# Altium PCB MCU009B_PCB.PcbDoc (part 2 of 4) (continued)
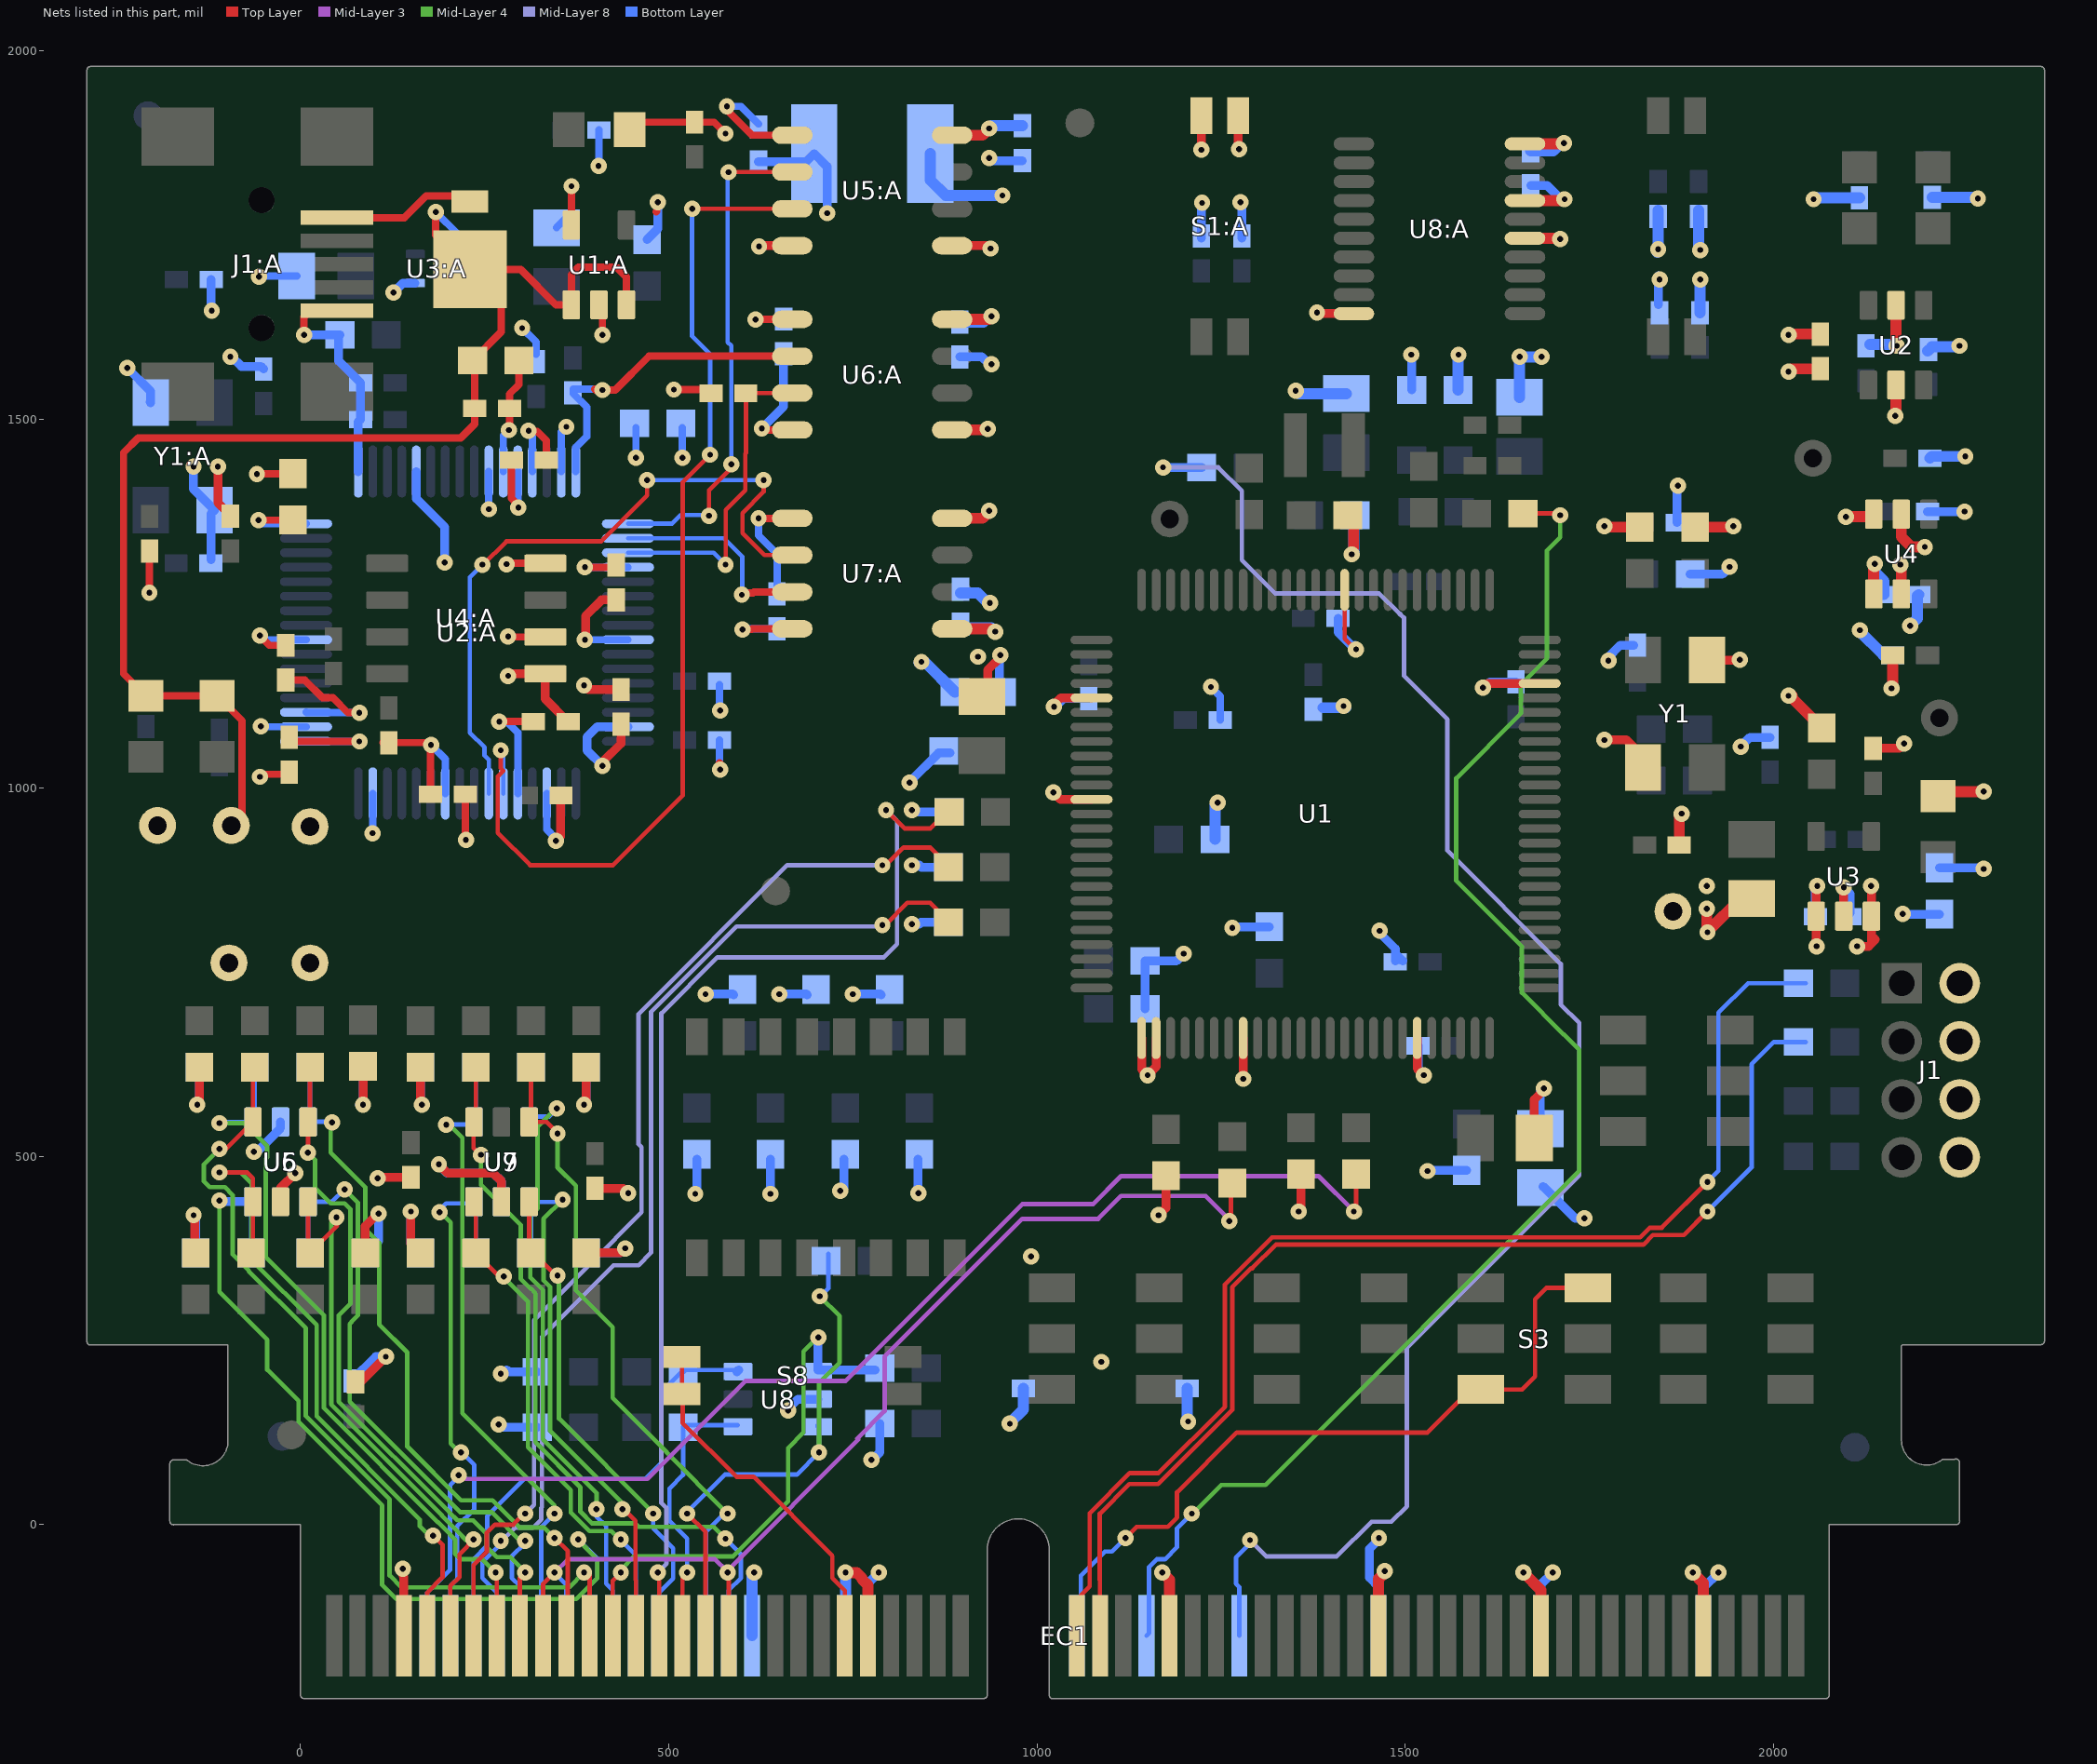
[diagram p10: the nets of this part, all layers, seen from the top]
## Part data (continued)
R1 R2: library part CMP-0026938-5, "RES, 4.7 k, 5%, 0.063 W, AEC-Q200 Grade 0, 0402", Manufacturer=Vishay-Dale, Power_W=63mW, Supplier Part Number 1=541-4.7KJCT-ND, TempCo="200 ppm/C", Tolerance_%=5%, Value2=0.063W, Value_Code=4k70, ValueDisplayed=4.7k, AEC Category=Q200, AEC Grade=0, AEC Qualified=Y, ComponentLink1Description="Datasheet link", ComponentLink1URL=http://www.vishay.com/docs/20035/dcrcwe3.pdf, CompType=Resistor, EIA_Code=E24, MountType=SMT, PackageReference=0402, PartNumber=CRCW04024K70JNED, Res_ohm=4.7k, RoHS=E, SizeArea_mm2=0.5, SizeX_mm=1, SizeY_mm=0.5, SizeZ_mm=0.6, Supplier 1=Digi-Key, Supplier 2=Newark, Supplier 3=Mouser, Supplier Part Number 2=59M6733, Supplier Part Number 3=71-CRCW0402J-4.7K-E3, Technology="Thick Film", Value1=5%, VDC_V=50V
R1:A R10 R11 R23: library part CMP-0026962-3, "RES, 680, 5%, 0.063 W, AEC-Q200 Grade 0, 0402", Manufacturer=Vishay-Dale, Power_W=63mW, Supplier Part Number 1=541-680JCT-ND, TempCo="200 ppm/C", Tolerance_%=5%, Value2=0.063W, Value_Code=680R, ValueDisplayed=680, AEC Category=Q200, AEC Grade=0, AEC Qualified=Y, ComponentLink1Description="Datasheet link", ComponentLink1URL=http://www.vishay.com/docs/20035/dcrcwe3.pdf, CompType=Resistor, EIA_Code=E24, MountType=SMT, PackageReference=0402, PartNumber=CRCW0402680RJNED, Res_ohm=680, RoHS=E, SizeArea_mm2=0.5, SizeX_mm=1, SizeY_mm=0.5, SizeZ_mm=0.6, Supplier 1=Digi-Key, Supplier 2=Newark, Supplier 3=Mouser, Supplier Part Number 2=59M6744, Supplier Part Number 3=71-CRCW0402J-680-E3, Technology="Thick Film", Value1=5%, VDC_V=50V
R2:A R4:A R8 R9 R9:A R15:A R16:A: library part CMP-0026825-5, "RES, 10 k, 5%, 0.063 W, AEC-Q200 Grade 0, 0402", Manufacturer=Vishay-Dale, Power_W=63mW, Supplier Part Number 1=541-10KJCT-ND, TempCo="200 ppm/C", Tolerance_%=5%, Value2=0.063W, Value_Code=10k0, ValueDisplayed=10k, AEC Category=Q200, AEC Grade=0, AEC Qualified=Y, ComponentLink1Description="Datasheet link", ComponentLink1URL=http://www.vishay.com/docs/20035/dcrcwe3.pdf, CompType=Resistor, EIA_Code=E24, MountType=SMT, PackageReference=0402, PartNumber=CRCW040210K0JNED, Res_ohm=10k, RoHS=E, SizeArea_mm2=0.5, SizeX_mm=1, SizeY_mm=0.5, SizeZ_mm=0.6, Supplier 1=Digi-Key, Supplier 2=Newark, Supplier 3=Mouser, Supplier Part Number 2=59M6696, Supplier Part Number 3=71-CRCW0402J-10K-E3, Technology="Thick Film", Value1=5%, VDC_V=50V
R3 R4 R5 R6 R7 R16 R17 R18 R19 R21 R22 R28 R32 R35 R36 R37 R38 R39 R40 R41 R42 R43 R44 R45 R46 R47 R48 R49 R50 R51 R52 R53 R54 R55 R56 R57 R58 R59 R60 R61 R62 R63 R64: library part CMP-0025697-4, "RES, 0, 5%, 0.1 W, AEC-Q200 Grade 0, 0603", Manufacturer=Vishay-Dale, Power_W=100mW, Supplier Part Number 1=541-0.0GCT-ND, TempCo="200 ppm/C", Tolerance_%=5%, Value2=0.1W, Value_Code=0000, ValueDisplayed=0, AEC Category=Q200, AEC Grade=0, AEC Qualified=Y, ComponentLink1Description="Datasheet link", ComponentLink1URL=http://www.vishay.com/docs/20035/dcrcwe3.pdf, CompType=Resistor, EIA_Code=E24, MountType=SMT, PackageReference=0603, PartNumber=CRCW06030000Z0EA, Res_ohm=0, RoHS=E, SizeArea_mm2=1.28, SizeX_mm=1.6, SizeY_mm=0.8, SizeZ_mm=1, Supplier 1=Digi-Key, Supplier 2=Newark, Supplier 3=Mouser, Supplier Part Number 2=52K8014, Supplier Part Number 3=71-CRCW0603-0-E3, Technology="Thick Film", Value1=5%, VDC_V=75V
R3:A R6:A R12:A R13:A R29: library part CMP-0026822-3, "RES, 0, 5%, 0.063 W, AEC-Q200 Grade 0, 0402", Manufacturer=Vishay-Dale, Power_W=63mW, Supplier Part Number 1=541-0.0JCT-ND, TempCo="200 ppm/C", Tolerance_%=5%, Value2=0.063W, Value_Code=0000, ValueDisplayed=0, AEC Category=Q200, AEC Grade=0, AEC Qualified=Y, ComponentLink1Description="Datasheet link", ComponentLink1URL=http://www.vishay.com/docs/20035/dcrcwe3.pdf, CompType=Resistor, EIA_Code=E24, MountType=SMT, PackageReference=0402, PartNumber=CRCW04020000Z0ED, Res_ohm=0, RoHS=E, SizeArea_mm2=0.5, SizeX_mm=1, SizeY_mm=0.5, SizeZ_mm=0.6, Supplier 1=Digi-Key, Supplier 2=Newark, Supplier 3=Mouser, Supplier Part Number 2=52K6543, Supplier Part Number 3=71-CRCW0402-0-E3, Technology="Thick Film", Value1=5%, VDC_V=50V
R5:A R7:A R8:A R11:A: library part CMP-0026852-3, "RES, 1.0 k, 5%, 0.063 W, AEC-Q200 Grade 0, 0402", Manufacturer=Vishay-Dale, Power_W=63mW, Supplier Part Number 1=541-1.0KJCT-ND, TempCo="200 ppm/C", Tolerance_%=5%, Value2=0.063W, Value_Code=1k00, ValueDisplayed=1.0k, AEC Category=Q200, AEC Grade=0, AEC Qualified=Y, ComponentLink1Description="Datasheet link", ComponentLink1URL=http://www.vishay.com/docs/20035/dcrcwe3.pdf, CompType=Resistor, EIA_Code=E24, MountType=SMT, PackageReference=0402, PartNumber=CRCW04021K00JNED, Res_ohm=1k, RoHS=E, SizeArea_mm2=0.5, SizeX_mm=1, SizeY_mm=0.5, SizeZ_mm=0.6, Supplier 1=Digi-Key, Supplier 2=Newark, Supplier 3=Mouser, Supplier Part Number 2=59M6691, Supplier Part Number 3=71-CRCW0402J-1.0K-E3, Technology="Thick Film", Value1=5%, VDC_V=50V
R10:A R27 R30 R31 R33 R34: library part CMP-0026890-5, "RES, 2.2 k, 5%, 0.063 W, AEC-Q200 Grade 0, 0402", Manufacturer=Vishay-Dale, Power_W=63mW, Supplier Part Number 1=541-2.2KJCT-ND, TempCo="200 ppm/C", Tolerance_%=5%, Value2=0.063W, Value_Code=2k20, ValueDisplayed=2.2k, AEC Category=Q200, AEC Grade=0, AEC Qualified=Y, ComponentLink1Description="Datasheet link", ComponentLink1URL=http://www.vishay.com/docs/20035/dcrcwe3.pdf, CompType=Resistor, EIA_Code=E24, MountType=SMT, PackageReference=0402, PartNumber=CRCW04022K20JNED, Res_ohm=2.2k, RoHS=E, SizeArea_mm2=0.5, SizeX_mm=1, SizeY_mm=0.5, SizeZ_mm=0.6, Supplier 1=Digi-Key, Supplier 2=Newark, Supplier 3=Mouser, Supplier Part Number 2=59M6710, Supplier Part Number 3=71-CRCW0402J-2.2K-E3, Technology="Thick Film", Value1=5%, VDC_V=50V
R12 R13: library part CMP-0026826-2, "RES, 10 M, 5%, 0.063 W, AEC-Q200 Grade 0, 0402", Manufacturer=Vishay-Dale, Power_W=63mW, Supplier Part Number 1=541-10MJCT-ND, TempCo="200 ppm/C", Tolerance_%=5%, Value2=0.063W, Value_Code=10M0, ValueDisplayed=10M, AEC Category=Q200, AEC Grade=0, AEC Qualified=Y, ComponentLink1Description="Datasheet link", ComponentLink1URL=http://www.vishay.com/docs/20035/dcrcwe3.pdf, CompType=Resistor, EIA_Code=E24, MountType=SMT, PackageReference=0402, PartNumber=CRCW040210M0JNED, Res_ohm=10M, RoHS=E, SizeArea_mm2=0.5, SizeX_mm=1, SizeY_mm=0.5, SizeZ_mm=0.6, Supplier 1=Digi-Key, Supplier 2=Newark, Supplier 3=Mouser, Supplier Part Number 2=59M6697, Supplier Part Number 3=71-CRCW0402J-10M-E3, Technology="Thick Film", Value1=5%, VDC_V=50V
R14 R15 R20: library part CMP-0020442-3, "RES, 0, 5%, 0.125 W, AEC-Q200 Grade 0, 0805", Manufacturer=Vishay-Dale, Power_W=125mW, Supplier Part Number 1=541-0.0ACT-ND, TempCo="200 ppm/C", Tolerance_%=5%, Value2=0.125W, Value_Code=0000, ValueDisplayed=0, AEC Category=Q200, AEC Grade=0, AEC Qualified=Y, ComponentLink1Description="Datasheet link", ComponentLink1URL=http://www.vishay.com/docs/20035/dcrcwe3.pdf, CompType=Resistor, EIA_Code=E24, MountType=SMT, PackageReference=0805, PartNumber=CRCW08050000Z0EA, Res_ohm=0, RoHS=E, SizeArea_mm2=2.5, SizeX_mm=2, SizeY_mm=1.25, SizeZ_mm=1.45, Supplier 1=Digi-Key, Supplier 2=Newark, Supplier 3=Mouser, Supplier Part Number 2=52K9721, Supplier Part Number 3=71-CRCW0805-0-E3, Technology="Thick Film", Value1=5%, VDC_V=150V
R14:A: library part CMP-0026834-3, "RES, 12 k, 5%, 0.063 W, AEC-Q200 Grade 0, 0402", Manufacturer=Vishay-Dale, Power_W=63mW, Supplier Part Number 1=541-12KJCT-ND, TempCo="200 ppm/C", Tolerance_%=5%, Value2=0.063W, Value_Code=12k0, ValueDisplayed=12k, AEC Category=Q200, AEC Grade=0, AEC Qualified=Y, ComponentLink1Description="Datasheet link", ComponentLink1URL=http://www.vishay.com/docs/20035/dcrcwe3.pdf, CompType=Resistor, EIA_Code=E24, MountType=SMT, PackageReference=0402, PartNumber=CRCW040212K0JNED, Res_ohm=12k, RoHS=E, SizeArea_mm2=0.5, SizeX_mm=1, SizeY_mm=0.5, SizeZ_mm=0.6, Supplier 1=Digi-Key, Supplier 2=Newark, Supplier 3=Mouser, Supplier Part Number 2=89M6603, Supplier Part Number 3=71-CRCW040212K0JNED, Technology="Thick Film", Value1=5%, VDC_V=50V
R24: library part CMP-0026129-2, "RES, 1.00, 1%, 0.063 W, AEC-Q200 Grade 0, 0402", Manufacturer=Vishay-Dale, Power_W=63mW, Supplier Part Number 1=541-1.00LLCT-ND, TempCo="100 ppm/C", Tolerance_%=1%, Value2=0.063W, Value_Code=1R00, ValueDisplayed=1.00, AEC Category=Q200, AEC Grade=0, AEC Qualified=Y, ComponentLink1Description="Datasheet link", ComponentLink1URL=http://www.vishay.com/docs/20035/dcrcwe3.pdf, CompType=Resistor, EIA_Code=E96, MountType=SMT, PackageReference=0402, PartNumber=CRCW04021R00FKED, Res_ohm=1, RoHS=E, SizeArea_mm2=0.5, SizeX_mm=1, SizeY_mm=0.5, SizeZ_mm=0.6, Supplier 1=Digi-Key, Supplier 2=Newark, Supplier 3=Mouser, Supplier Part Number 2=52K5648, Supplier Part Number 3=71-CRCW0402-1-E3, Technology="Thick Film", Value1=1%, VDC_V=50V
R25 R26: library part CMP-0026949-3, "RES, 56 k, 5%, 0.063 W, AEC-Q200 Grade 0, 0402", Manufacturer=Vishay-Dale, Power_W=63mW, Supplier Part Number 1=541-56KJCT-ND, TempCo="200 ppm/C", Tolerance_%=5%, Value2=0.063W, Value_Code=56k0, ValueDisplayed=56k, AEC Category=Q200, AEC Grade=0, AEC Qualified=Y, ComponentLink1Description="Datasheet link", ComponentLink1URL=http://www.vishay.com/docs/20035/dcrcwe3.pdf, CompType=Resistor, EIA_Code=E24, MountType=SMT, PackageReference=0402, PartNumber=CRCW040256K0JNED, Res_ohm=56k, RoHS=E, SizeArea_mm2=0.5, SizeX_mm=1, SizeY_mm=0.5, SizeZ_mm=0.6, Supplier 1=Digi-Key, Supplier 2=Newark, Supplier 3=Mouser, Supplier Part Number 2=89M6680, Supplier Part Number 3=71-CRCW0402J-56K-E3, Technology="Thick Film", Value1=5%, VDC_V=50V
S1 S1:A S8: library part CMP-0002230-1, "Switch, SPST, 2 Pos, 25mA, 24VDC, SMD", CurrentRating_mA=25A, Manufacturer="CTS Electrocomponents", Supplier Part Number 1=CT2182LPST-ND, Circuit=SPST, ComponentLink1Description="Datasheet Link", ComponentLink1URL=http://www.ctscorp.com/components/Datasheets/218.pdf, CompType=Switch, LatestRevisionDate=2017-03-09, MountType=SMT, Orientation="Top Actuated", PackageReference=3.71x5.8mm, PartNumber=218-2LPST, PositionCount=2, Publisher="Texas Instruments", RoHS=Y, Supplier 1=Digi-Key, Supplier 2=Mouser, Supplier Part Number 2=774-2182LPST, SwitchFunction=Off-On, VDC_V=24V
S2 S3 S4: library part CMP-0002123-2, "SLIDE SWITCH DPDT  .1A, SMT", CurrentRating_mA=100A, Manufacturer="Copal Electronics", Supplier Part Number 1=CAS220JCT-ND, Circuit=DPDT, ComponentLink1Description="Datasheet URL", ComponentLink1URL=http://copal-electronics.info/en/0008e/02462.pdf, CompType=Switch, LatestRevisionDate=2017-03-09, MountType=SMT, Orientation=Horizontal, PackageReference="SWITCH, 5.4x2.5x3.9mm", PartNumber=CAS-220TA, PositionCount=2, Publisher="Texas Instruments", RoHS=Y, Supplier 1=Digi-Key, SwitchFunction=On-On, VDC_V=6V
S5 S6: library part CMP-0002233-1, "Switch, Dual SPDT,  2 Pos, 0.1A, 6VDC, SMD", CurrentRating_mA=100A, Manufacturer="Copal Electronics", Supplier Part Number 1=CASD20JCT-ND, Circuit=SPDT, ComponentLink1Description="Datasheet Link", ComponentLink1URL=http://www.nidec-copal-electronics.com/e/catalog/switch/cas.pdf, CompType=Switch, LatestRevisionDate=2017-03-09, MountType=SMT, Orientation="Top Actuated", PackageReference=5.4x3.9mm, PartNumber=CAS-D20TA, PositionCount=2, Publisher="Texas Instruments", RoHS=Y, Supplier 1=Digi-Key, SwitchFunction=On-On, VDC_V=6V
S7: library part CMP-0002229-1, "Switch, SPST, 8 Pos, 25mA, 24VDC, SMD", CurrentRating_mA=25A, Manufacturer="CTS Electrocomponents", Supplier Part Number 1=CT2188LPST-ND, Circuit=SPST, ComponentLink1Description="Datasheet Link", ComponentLink1URL=http://www.ctscorp.com/components/Datasheets/218.pdf, CompType=Switch, LatestRevisionDate=2017-03-09, MountType=SMT, Orientation="Top Actuated", PackageReference=11.33x5.8mm, PartNumber=218-8LPST, PositionCount=8, Publisher="Texas Instruments", RoHS=Y, Supplier 1=Digi-Key, Supplier 2=Mouser, Supplier Part Number 2=774-2188LPST, SwitchFunction=Off-On, VDC_V=24V
TP1 TP1:A TP2 TP2:A TP3 TP3:A TP4 TP5 TP6: library part CMP-0078143-2, "TEST POINT.  No entry in BOM.", Manufacturer=N/A, CompType=Testpoint, PackageReference=N/A, PartNumber=N/A
U1: library part CMP-0078352-1, "Piccolo Microcontroller, PZ0100A (LQFP-100)", Alternate Manufacturer="Texas Instruments", AEC Category=Q200, AEC Qualified=N, ComponentLink1Description="Datasheet Link", ComponentLink1URL=http://www.ti.com/lit/ds/symlink/tms320f280049c.pdf, ComponentLink2Description="Product Folder", ComponentLink2URL=http://www.ti.com/product/tms320f280049c, CompType=IC, Manufacturer="Texas Instruments", MountType=SMT, PackageDescription=LQFP-100, PackageReference=PZ0100A, PartNumber=F280049CPZS, SizeArea_mm2=256, SizeAreaWB_mm2=324, SizeX_mm=16, SizeY_mm=16, SizeZ_mm=1.6
U1:A: library part CMP-0073823-1, "Low-Noise, High PSRR, RF 200-mA Low-Dropout Linear Regulators, DBV0005A (SOT-23-5)", Alternate Manufacturer="Texas Instruments", Alternate PartNumber=TPS73033DBVT, ComponentLink1Description="Datasheet Link", ComponentLink1URL=http://www.ti.com/lit/ds/symlink/tps730.pdf, CompType=IC, Footprint Path 6=C:\AltiumLibraries\Footprints\TI\.PcbLib, Green_EU RoHS=Passed, Green_EU RoHS-2=Passed, Green_Lifecycle=Active, Green_REACh=Passed, LatestRevisionDate=2017-06-09, Manufacturer="Texas Instruments", MountType=SMT, PackageDescription=SOT-23-5, PackageReference=DBV0005A, PartNumber=TPS73033DBVR, Publisher="Texas Instruments", RoHS=Y, SizeArea_mm2=8.12, SizeAreaWB_mm2=14.82, SizeX_mm=2.8, SizeY_mm=2.9, SizeZ_mm=1.45, U/M=EA
U2: library part CMP-0051789-2, "Dual Buffer/Driver with Open-Drain Output, DBV0006A, LARGE T&R", F @ Nom Voltage(Max)(Mhz)=150, Generic Part Number=SN74LVC2G07, ICC @ Nom Voltage(Max)(mA)=0.01, Manufacturer="Texas Instruments", Operating Temperature Range(C)="-40 to 125", Rating=Catalog, tpd @ Nom Voltage(Max)(ns)=8.6,4.4,3.7,2.9, Voltage(Nom)(V)=1.8,2.5,3.3,5, 3-State Output=No, AEC Category=Q200, AEC Qualified=N, Bits(#)=2, ComponentLink1Description="Datasheet Link", ComponentLink1URL=http://www.ti.com/lit/ds/symlink/sn74lvc2g07.pdf, ComponentLink2Description="Product Folder", ComponentLink2URL=http://www.ti.com/product/sn74lvc2g07, ComponentLink3Description="Online Datasheet", ComponentLink3URL=http://www.ti.com/product/sn74lvc2g07/datasheet, CompType=IC, DatasheetVersion=SCES308K, Green_EU RoHS=Passed, Green_EU RoHS-2=Passed, Green_Lifecycle=Active, Green_REACh=Passed, Input Type=CMOS/TTL, Logic=True, MountType=SMT, Output Drive (IOL/IOH)(Max)(mA)=32/-32, Output Type=CMOS, PackageDescription=SOT-23-6, PackageReference=DBV0006A, PartNumber=SN74LVC2G07DBVR, RoHS=Y, Schmitt Trigger=No, SizeArea_mm2=8.12, SizeAreaWB_mm2=14.82, SizeX_mm=2.8, SizeY_mm=2.9, SizeZ_mm=1.45, Sub-Family="Inverting Buffer/Driver", Technology Family=LVC, VCC(Max)(V)=5.5, VCC(Min)(V)=1.65
U2:A: library part CMP-0004796-1, "Dual High Speed USB To Multipurpose UART/FIFO IC, LQFP-64", Manufacturer=FTDI, Supplier Part Number 1=768-1024-1-ND, ComponentLink1Description="Datasheet URL", ComponentLink1URL=http://www.ftdichip.com/Support/Documents/DataSheets/ICs/DS_FT2232H.pdf, LatestRevisionDate=09/03/2017, MountType=SMT, PackageReference=LQFP_10x10mm, PartNumber=FT2232HL-REEL, Publisher="Texas Instruments", RoHS=Y, Supplier 1=Digi-Key, Supplier 2=Mouser, Supplier Part Number 2=895-FT2232HL
U3: library part CMP-0036866-2, "Single Output Low Noise LDO, 400 mA, Fixed 3.3 V Output, 1.7 to 5.5 V Input, with Reverse Current Protection, 5-pin SOT-23 (DBV), -40 to 85 degC, Green (RoHS & no Sb/Br)", Alternate Manufacturer="Texas Instruments", Alternate PartNumber=TPS73633DBVT, Rating=Catalog, Accuracy(%)=1, AEC Category=Q200, AEC Qualified=N, Code_JEDEC=MO-178, ComponentLink1Description="Datasheet Link", ComponentLink1URL=http://www.ti.com/lit/ds/symlink/tps736.pdf, ComponentLink2Description="Product Folder", ComponentLink2URL=http://www.ti.com/product/tps736, ComponentLink3Description="Online Datasheet", ComponentLink3URL=http://www.ti.com/product/tps736/datasheet, CompType=IC, DatasheetVersion=SBVS038T, Eco-Plan="Green (RoHS & no Sb/Br)", Fixed Output Options(V)=3.3, Green_EU RoHS=Passed, Green_EU RoHS-2=Passed, Green_Lifecycle=Active, Green_REACh=Passed, Iout(Max)(A)=0.4, Iq(Typ)(mA)=0.3, Manufacturer="Texas Instruments", MountType=SMT, PackageDescription=SOT-23-5, PackageReference=DBV0005A, PackageVersion=4073253-4/K, PartNumber=TPS73633DBVR, RoHS=Y, SizeArea_mm2=8.12, SizeAreaWB_mm2=14.82, SizeX_mm=2.8, SizeY_mm=2.9, SizeZ_mm=1.45, SubFamily="Single Channel LDO", Vdo(Typ)(mV)=75, Vin(Max)(V)=5.5, Vin(Min)(V)=1.7, Vout Adj(Max)(V)=3.3, Vout Adj(Min)(V)=3.3
U3:A: library part CMP-0043096-2, "Low-Capacitance + / - 15 kV ESD-Protection Array for High-Speed Data Interfaces, 2 Channels, -40 to +85 degC, 5-pin SOT (DRL), Green (RoHS & no Sb/Br)", Breakdown Voltage(Min)(V)=11, IO Capacitance(Typ)(pF)=1.5, IO Leakage Current(nA)=1, Manufacturer="Texas Instruments", ComponentLink1Description="Manufacturer URL", ComponentLink1URL=http://www.ti.com/, ComponentLink2Description=Datasheet, ComponentLink2URL=http://www.ti.com/general/docs/lit/getliterature.tsp?genericPartNumber=TPD2E001&fileType=pdf, ComponentLink3Description="URL Link1", ComponentLink3URL=SamplesURL:http://www.ti.com/product/tpd2e001#samples, DatasheetVersion=SLLS684F, Eco-Plan="Green (RoHS & no Sb/Br)", IEC 61000-4-2 Air-Gap(+/- kV)=15, IEC 61000-4-2 Contact(+/- kV)=8, Mounting Technology="Surface Mount", PackageDescription="5-Pin Plastic Small Outline, Flat Lead 0.5 mm Pitch", PackageReference=DRL0005A, PackageVersion="revD, Aug-2007", PartNumber=TPD2E001DRLR, SubFamily="ESD Solution", USB High Speed=TRUE
U4: library part CMP-0067340-2, "High-Accuracy, Fixed-Threshold OV/UV Monitor, DDC0006A (SOT-23-T-6)", Alternate Manufacturer="Texas Instruments", Alternate PartNumber=TPS3702CX33DDCT, ComponentLink1Description="Datasheet Link", ComponentLink1URL=http://www.ti.com/lit/ds/symlink/tps3702.pdf, CompType=IC, LatestRevisionDate=2017-06-09, Manufacturer="Texas Instruments", MountType=SMT, PackageDescription=SOT-23-T-6, PackageReference=DDC0006A, PartNumber=TPS3702CX33DDCR, Publisher="Texas Instruments", RoHS=Y, SizeArea_mm2=4.8675, SizeAreaWB_mm2=10.4675, SizeX_mm=1.65, SizeY_mm=2.95, SizeZ_mm=0.87, U/M=EA
U4:A: library part CMP-0005261-2, "2K Microwire Compatible Serial EEPROM, SOIC-8", Manufacturer=Microchip, Supplier Part Number 1=93LC56C-I/SN-ND, ComponentLink1Description="Datasheet URL", ComponentLink1URL=http://ww1.microchip.com/downloads/en/DeviceDoc/21794G.pdf, LatestRevisionDate=09/03/2017, MountType=SMT, PackageReference=SOIC-8, PartNumber=93LC56C-I/SN, Publisher="Texas Instruments", RoHS=Y, SizeArea_mm2=29.351, SizeAreaWB_mm2=55.131, SizeX_mm=5.99, SizeY_mm=4.9, SizeZ_mm=1.75, Supplier 1=Digi-Key, Supplier 2=Newark, Supplier 3=Mouser, Supplier Part Number 2=30H4775, Supplier Part Number 3=579-93LC56C-I/SNG
U5 U6 U7 U8 U9: library part CMP-0066599-1, "Automotive Low-Capacitance 4-Channel +/-15-kV ESD Protection Array for High-Speed Data Interfaces, DBV0006A (SOT-23-6)", Alternate Manufacturer="Texas Instruments", ComponentLink1Description="Datasheet Link", ComponentLink1URL=http://www.ti.com/lit/ds/symlink/tpd4e001-q1.pdf, CompType=IC, Footprint Path 6=C:\AltiumLibraries\Footprints\TI\.PcbLib, LatestRevisionDate=2017-06-09, Manufacturer="Texas Instruments", MountType=SMT, PackageDescription=SOT-23-6, PackageReference=DBV0006A, PartNumber=TPD4E001QDBVRQ1, Publisher="Texas Instruments", RoHS=Y, SizeArea_mm2=8.12, SizeAreaWB_mm2=14.82, SizeX_mm=2.8, SizeY_mm=2.9, SizeZ_mm=1.45, U/M=EA
U5:A U6:A U7:A: library part CMP-0029375-1, "25 Mbps Dual Channels, 2 / 0, Digital Isolator, 3.3 V / 5 V, -40 to +125 degC, 8-pin SOIC (D), Green (RoHS & no Sb/Br)", Insulation Rating(VRMS)=2500, Manufacturer="Texas Instruments", Rating=Catalog, Supply Voltage(s)(V)="3.3, 5", Channel Configuration=2/01/2000, ComponentLink1Description="Manufacturer URL", ComponentLink1URL=http://www.ti.com/, ComponentLink2Description=Datasheet, ComponentLink2URL=http://www.ti.com/general/docs/lit/getliterature.tsp?genericPartNumber=ISO7220C&fileType=pdf, ComponentLink3Description="URL Link1", ComponentLink3URL=SamplesURL:http://www.ti.com/product/iso7220c#samples, Datarate(Mbps)=25, DatasheetVersion=SLLS755L, Eco-Plan="Green (RoHS & no Sb/Br)", Input Noise Filter=Yes, Mounting Technology="Surface Mount", PackageDescription="8-Pin Plastic Small Outline Integrated Circuit, 4.9 x 3.9 mm, Pitch 1.27 mm Pitch", PackageReference=D0008B, PackageVersion="revM, Jun-2011", PartNumber=ISO7220CD, Prop Delay(Max)(ns)=42, SubFamily=Isolator, Thermal Shutdown=No, TTL/CMOS Input Threshold=TTL
U8:A: library part CMP-0047070-3, "Octal Buffer/Driver With 3-State OUtputs, PW0020A (TSSOP-20)", Alternate Manufacturer="Texas Instruments", Alternate PartNumber=SN74ALVC244PW, F @ Nom Voltage(Max)(Mhz)=100, Generic Part Number=SN74ALVC244, ICC @ Nom Voltage(Max)(mA)=0.024, Operating Temperature Range(C)="-40 to 85", Rating=Catalog, tpd @ Nom Voltage(Max)(ns)=4.4,3.1,2.8, Voltage(Nom)(V)=1.8,2.5,2.7,3.3, AEC Category=Q200, AEC Qualified=N, Bits(#)=8, Code_JEDEC=MO-153, ComponentLink1Description="Datasheet Link", ComponentLink1URL=http://www.ti.com/lit/ds/symlink/sn74alvc244.pdf, ComponentLink2Description="Product Folder", ComponentLink2URL=http://www.ti.com/product/sn74alvc244, ComponentLink3Description="Online Datasheet", ComponentLink3URL=http://www.ti.com/product/sn74alvc244/datasheet, CompType=IC, DatasheetVersion=SCES188G, Input Type=LVTTL, Manufacturer="Texas Instruments", MountType=SMT, Output Type=LVTTL, PackageDescription=TSSOP-20, PackageReference=PW0020A, PackageVersion=http://www.ti.com/lit/ml/mpds362/mpds362.pdf, PartNumber=SN74ALVC244PWR, RoHS=Y, SizeArea_mm2=43.56, SizeAreaWB_mm2=73.96, SizeX_mm=6.6, SizeY_mm=6.6, SizeZ_mm=1.2, VCC(Max)(V)=3.6, VCC(Min)(V)=1.65
Y1: library part CMP-0080365-1, "Crystal, 20 MHz, 25 ppm, 18, SMD", Frequency Stability="30 ppm", Frequency Tolerance="25 ppm", Load Capacitance=18, Manufacturer="ECS Inc.", PartNumber=ECS-200-18-30B-AGN-TR, Supplier Part Number 1=XC2693CT-ND, AEC Category=Q200, AEC Grade=N/A, AEC Qualified=N, ComponentLink1Description="Datasheet Link", ComponentLink1URL=http://www.ecsxtal.com/store/pdf/ecx_53b.pdf, CompType=Crystal, Frequency_Fixed=20MHz, MountType=SMT, PackageReference=5x3.2mm, RoHS=Y, Supplier 1=Digi-Key, Supplier 2=Mouser, Supplier Part Number 2=520-200-18-30B-AGNT, TaMax_C=85°C, TaMin_C=-40°C
Y1:A: library part CMP-0004646-3, "Crystal, 12 MHz, 20pF, SMD", Frequency Stability=+/-50ppm, Manufacturer="ECS Inc.", PartNumber=ECS-120-20-30B-TR, Supplier Part Number 1=XC1118CT-ND, ComponentLink1Description="Datasheet Link", ComponentLink1URL=http://www.ecsxtal.com/store/pdf/ecx_53b.pdf, CompType=Crystal, Frequency_Fixed=12MHz, MountType=SMT, PackageReference=5x3.2mm, RoHS=Y, Supplier 1=Digi-Key, Supplier 2=Mouser, Supplier Part Number 2=520-ECS-120-20-30B, TaMax_C=70°C, TaMin_C=-20°C
ZZ1: library part CMP-0077236-1, ClassName=AssemblyNote, CompType=AssemblyNote, Key=AssemblyNote, LatestRevisionDate=2017-08-10, Publisher="Texas Instruments"
ZZ2: library part CMP-0077237-1, ClassName=AssemblyNote, CompType=AssemblyNote, Key=AssemblyNote, LatestRevisionDate=2017-08-10, Publisher="Texas Instruments"
ZZ3: library part CMP-0077238-1, ClassName=AssemblyNote, CompType=AssemblyNote, Key=AssemblyNote, LatestRevisionDate=2017-08-10, Publisher="Texas Instruments"

## Via types
v1: diameter 22, hole 8, Top Layer to Bottom Layer, 414 vias
v2: diameter 22, hole 8, Top Layer to Bottom Layer, tented both sides, 79 vias

## Nets (pads, with @x,y where several pads share a name; then routed paths per layer and width w, separated by ;. In a path a pad name is that pad's centre, name@x,y a point inside that pad or via, vN(x,y) a via of type N, cw(c..) or ccw(c..) an arc to the next point about the centre after c; other vN are vias at no path point)
3V3: C7.2 C9.1 C10.2 C19.2 C20:A.1 C22:A.1 C24:A.1 C25:A.2 C31.1 L1.1 L2.1 R1.1 R2.2 R8.2 R9.2 R10.1 R11.1 R12.2 R13.2 R14.1 R15:A.2 R16:A.2 R20.2 R25.1 R26.2 R27.2 R28.2 R30.2 R31.2 TP2.1 U2.5 U4.3 U4.4 U4.5 U5:A.8 U6:A.8 U7:A.1 U8:A.20 | length 1989.6
  Top Layer w12: R1.1@75,193.62 81.62,193.62 v1(116,228) v1@118,230 ; L2.1@933.1,1127.4 933.1,1160.1 v1@949,1176 ; L1.1@1675,525 1675,577 v1@1689,591
  Top Layer w15: U7:A.1@883.5,1215.87 936.13,1215.87 v1@938,1214 ; U6:A.8@883.5,1635.87 933.87,1635.87 v1(938,1640) ; U5:A.8@883.5,1885.87 925.87,1885.87 v1(935,1895) ; U8:A.20@1662.34,1874 1714,1874 v1(1715,1875) ; R31.2@1871.72,922.4 1871.72,961.72 v1(1875,965) ; R28.2@1893.1,1353.9 v1@1944,1353.9 ; v1(1909,836) 1909,806 v1@1910,805 ; v1(1910,804) v1@1910,805 ; v1@1944,1356 v1(1945,1355) ; v1@1945,1353.9 1945.9,1353.9 v1@1946,1354 ; R20.2@1970,850 1955,850 v1@1910,805 ; v1(2020,1615) 2021.02,1616.02 C9.1@2063.1,1616.02 ; v1(2098,1368) 2135,1368 U4.3@2135.7,1368.7 ; U4.4@2135.7,1263.27 2135.7,1302.7 2136,1303 v1@2137,1303 ; U4.3@2135.7,1371.53 U4.3@2135.7,1368.7 ; U4.3@2137,1370 U4.3@2135.7,1368.7 ; U2.5@2165.91,1655 2165.91,1603.09 v1@2167,1602 ; v1(2172,1303) 2173.1,1301.9 U4.5@2173.1,1263.27
  Bottom Layer w12: R2.2@70.2,195.28 70,195.47 102.53,228 v1(116,228) ; v1@949,1180 949,1144 946,1141 C10.2@949.6,1137.4 ; R15:A.2@1223.1,1746.02 1223.1,1748.02 1223.1,1793.1 v1(1224,1794) ; v1(1276,1795) 1278.1,1792.9 1278.1,1748.02 R16:A.2@1278.1,1746.02 ; C7.2@1683.1,537.4 1683.1,587.1 v1(1688,592)
  Bottom Layer w15: C22:A.1@895,1632.24 927.24,1632.24 935,1640 v1(938,1640) ; C24:A.1@896.22,1217.24 937.76,1217.24 v1(943,1212) ; v1(935,1895) 938.62,1898.62 C20:A.1@980,1898.62 ; v1@962,137 981.38,156.38 R8.2@981.38,185 ; R9.2@1203.62,185 1203.62,141.38 v1(1205,140) ; C19.2@1571.5,1540 1571.5,1587.5 v1(1572,1588) ; R14.1@1655,1530 v1(1655,1585) v1@1684,1585 ; C25:A.2@1670,1864.62 1700.62,1864.62 v1@1710,1874 ; v1@1842,1727 1843.1,1728.1 1843.1,1776.78 R25.1@1843.1,1783.78 ; R26.2@1898.1,1783.78 1898.1,1776.78 1898.1,1731.9 v1(1900,1730) ; v1(2054,1799) 2055.86,1800.86 R10.1@2116.34,1800.85 ; v1@2115,1214 2149,1180 R30.2@2161.38,1180 ; R12.2@2130.23,1601.79 2165.21,1601.79 v1(2167,1600) ; v1@2137,1303 2137,1293 2149.48,1280.52 C31.1@2149.48,1262.4 ; R13.2@2209,1593 2214.62,1598.62 2250.62,1598.62 v1(2252,1600) ; R27.2@2211.72,1447.4 2214.32,1450 v1(2260,1450) ; R11.1@2215.08,1801.37 2275.63,1801.37 v1(2277,1800)
  other v1: 963,137 1909,867 920,1178 950,1180 2117,1214 2137,1304 1685,1585 1843,1731
EMU_1V8: C5:A.2 C6:A.2 C7:A.2 C8:A.2 U2:A.12 U2:A.37 U2:A.49 U2:A.64 | length 609.2
  Top Layer w10: v2(-56.72,1363.35) C5:A.2@-19.8,1363.35 ; C7:A.2@-17.19,1065.68 -14.33,1062.82 62.58,1062.82 ; 7.72,1063.23 62.17,1063.23 62.58,1062.82 ; v2(80,1063) 62.77,1063 62.58,1062.82 ; v2(270,1090) C8:A.2@316.38,1090 ; C6:A.2@286.57,1444.84 286.57,1393.06 295.88,1383.75 v2(295.88,1380.55) v2@295.12,1381.31
  Bottom Layer w10: v2(-56.72,1363.35) -55.68,1364.38 -55.68,1361.68 -52.5,1358.5 U2:A.64@7.72,1358.5 ; U2:A.49@7.72,1063.23 79.77,1063.23 v2(80,1063) ; v2(270,1090) 280,1090 295.12,1074.88 U2:A.37@295.12,992.36 ; v2@295.12,1381.31 U2:A.12@295.12,1429.37
EMU_3V3: C2:A.1 C9:A.2 C10:A.2 C11:A.2 C12:A.2 C19:A.2 C21:A.2 C23:A.2 L1:A.2 L2:A.2 R1:A.1 R2:A.2 R4:A.2 R9:A.1 R11:A.1 TP2:A.1 U1:A.5 U2:A.20 U2:A.31 U2:A.42 U2:A.50 U2:A.56 U4:A.6 U4:A.8 U5:A.1 U6:A.1 U7:A.8 | length 1573.2
  Top Layer w10: v2(-55.01,1206.64) -41.83,1193.46 C10:A.2@-19.8,1193.46 ; R9:A.1@112.18,1061.44 174.32,1061.44 v2(177.31,1058.45) 176.73,1057.87 C12:A.2@176.73,991.34 ; v2@281.2,1304.84 U4:A.8@332.48,1304.84 ; v2@282.79,1204.84 U4:A.6@332.48,1204.84 ; v2(367.99,1816.64) 367.79,1816.44 U1:A.5@367.79,1763.98 U1:A.5@371.93,1759.84 ; v2(386.22,1299.45) C9:A.2@425.79,1299.45 ; v2(506.99,1540.64) 552.37,1540.64 R2:A.2@552.6,1540.87 ; v2@576.5,1922.5 613.13,1885.87 U5:A.1@668.94,1885.87 ; v2(600,1215) 612.6,1215 613.61,1216.02 ; v2@617.22,1635.87 U6:A.1@655.6,1635.87 ; v2(617.99,1635.64) 655.37,1635.64 U6:A.1@655.6,1635.87 ; U7:A.8@646.99,1216.02 613.61,1216.02 ; U6:A.1@655.99,1636.26 U6:A.1@655.6,1635.87 ; U7:A.8@668.94,1215.87 613.76,1215.87 613.61,1216.02 ; U6:A.1@668.94,1635.87 U6:A.1@655.6,1635.87
  Top Layer w12: v2(410,1030) 410,1035 435.2,1060.2 C11:A.2@435.2,1086.22
  Bottom Layer w10: v2(-56.01,1693.64) -54.8,1694.84 L2:A.2@-4.8,1694.84 ; v2@-55,1085 -52.91,1082.91 U2:A.50@7.72,1082.91 ; v2(-55.01,1206.64) -49.37,1201 U2:A.56@7.72,1201.02 ; v2@177.31,1058.26 196.69,1038.88 U2:A.42@196.69,992.36 ; v2(301.07,1624.04) 320.2,1604.91 R11:A.1@320.2,1588.46 ; L1:A.2@347.57,1760.29 367.99,1780.71 v2(367.99,1816.64) ; v2(386.22,1299.45) U2:A.20@444.72,1299.45 ; v2@405.09,1844.32 R1:A.1@405.09,1892.91 ; v2(518.49,1448.13) C2:A.1@518.49,1488.64 ; v2@568.82,1110.81 R4:A.2@568.82,1139.84 ; v2(579,1925) 598,1925 C19:A.2@622,1901 ; v2(600,1215) 601.02,1216.02 C23:A.2@646.99,1216.02 ; v2(617.99,1635.64) 618.61,1636.26 C21:A.2@655.99,1636.26